# Altium PCB Proyecto_0-Buck_Up.PcbDoc (part 1 of 5) (continued)
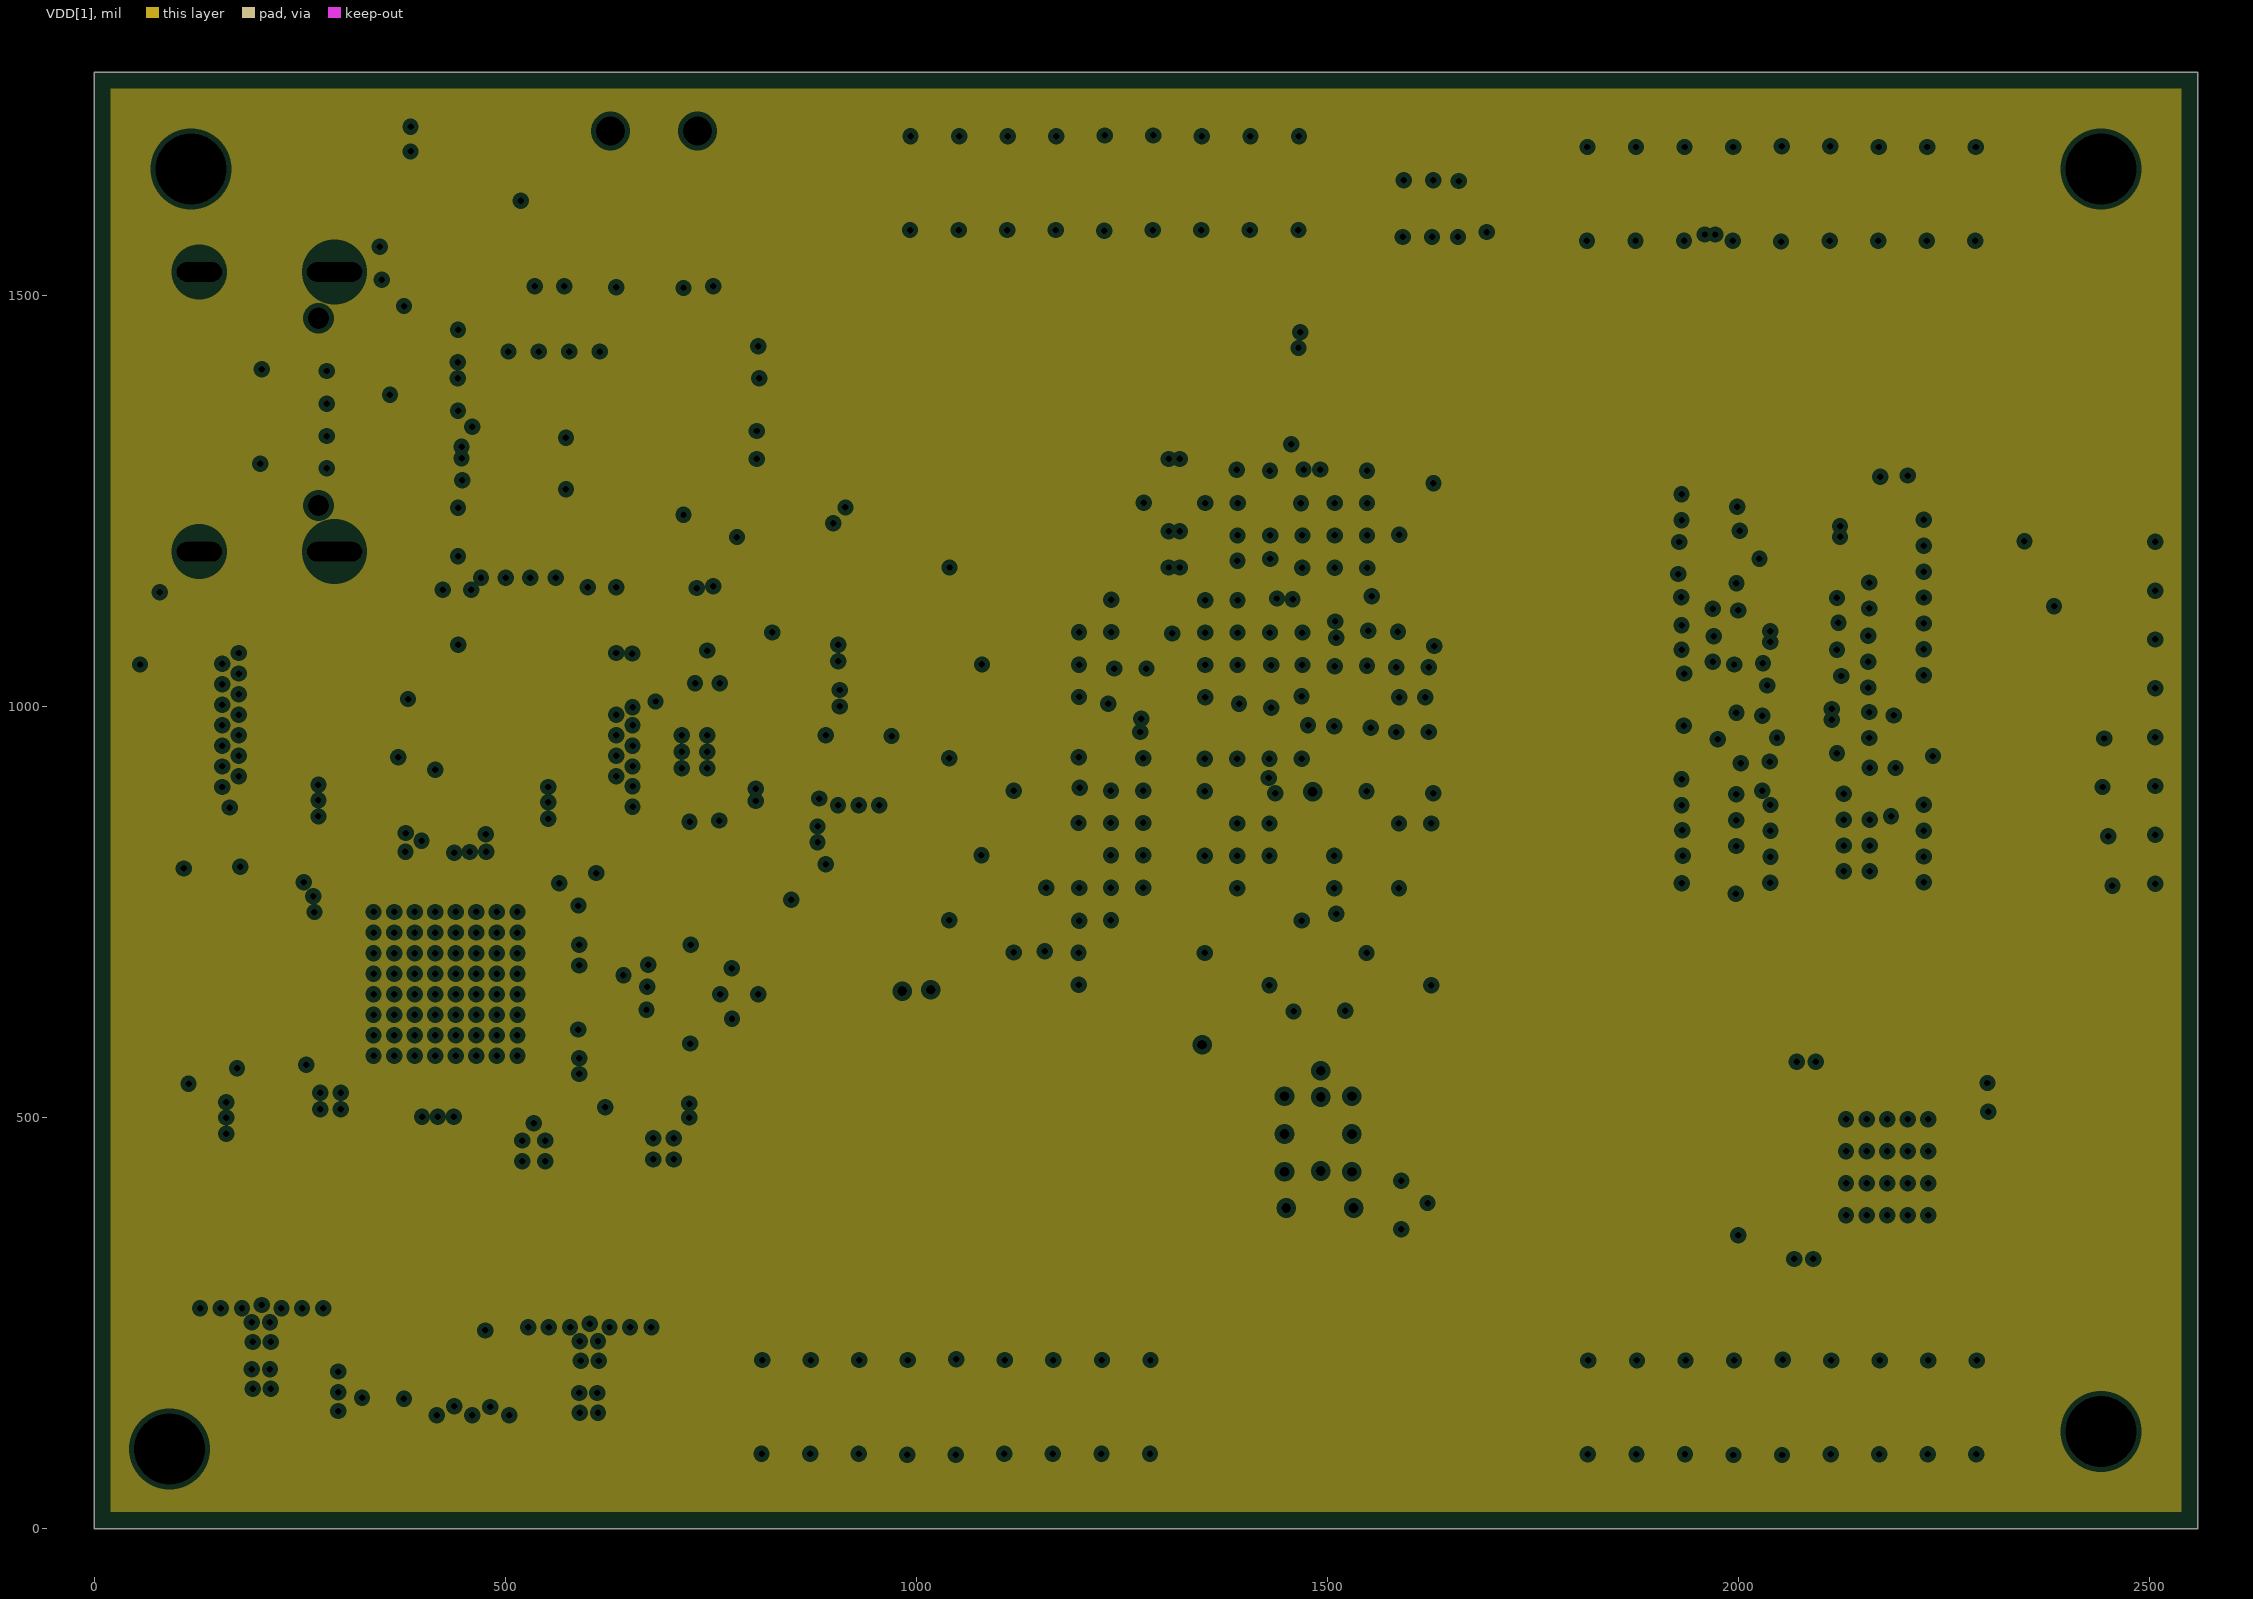
[diagram p3: VDD[1], clearances drawn from the general rule]
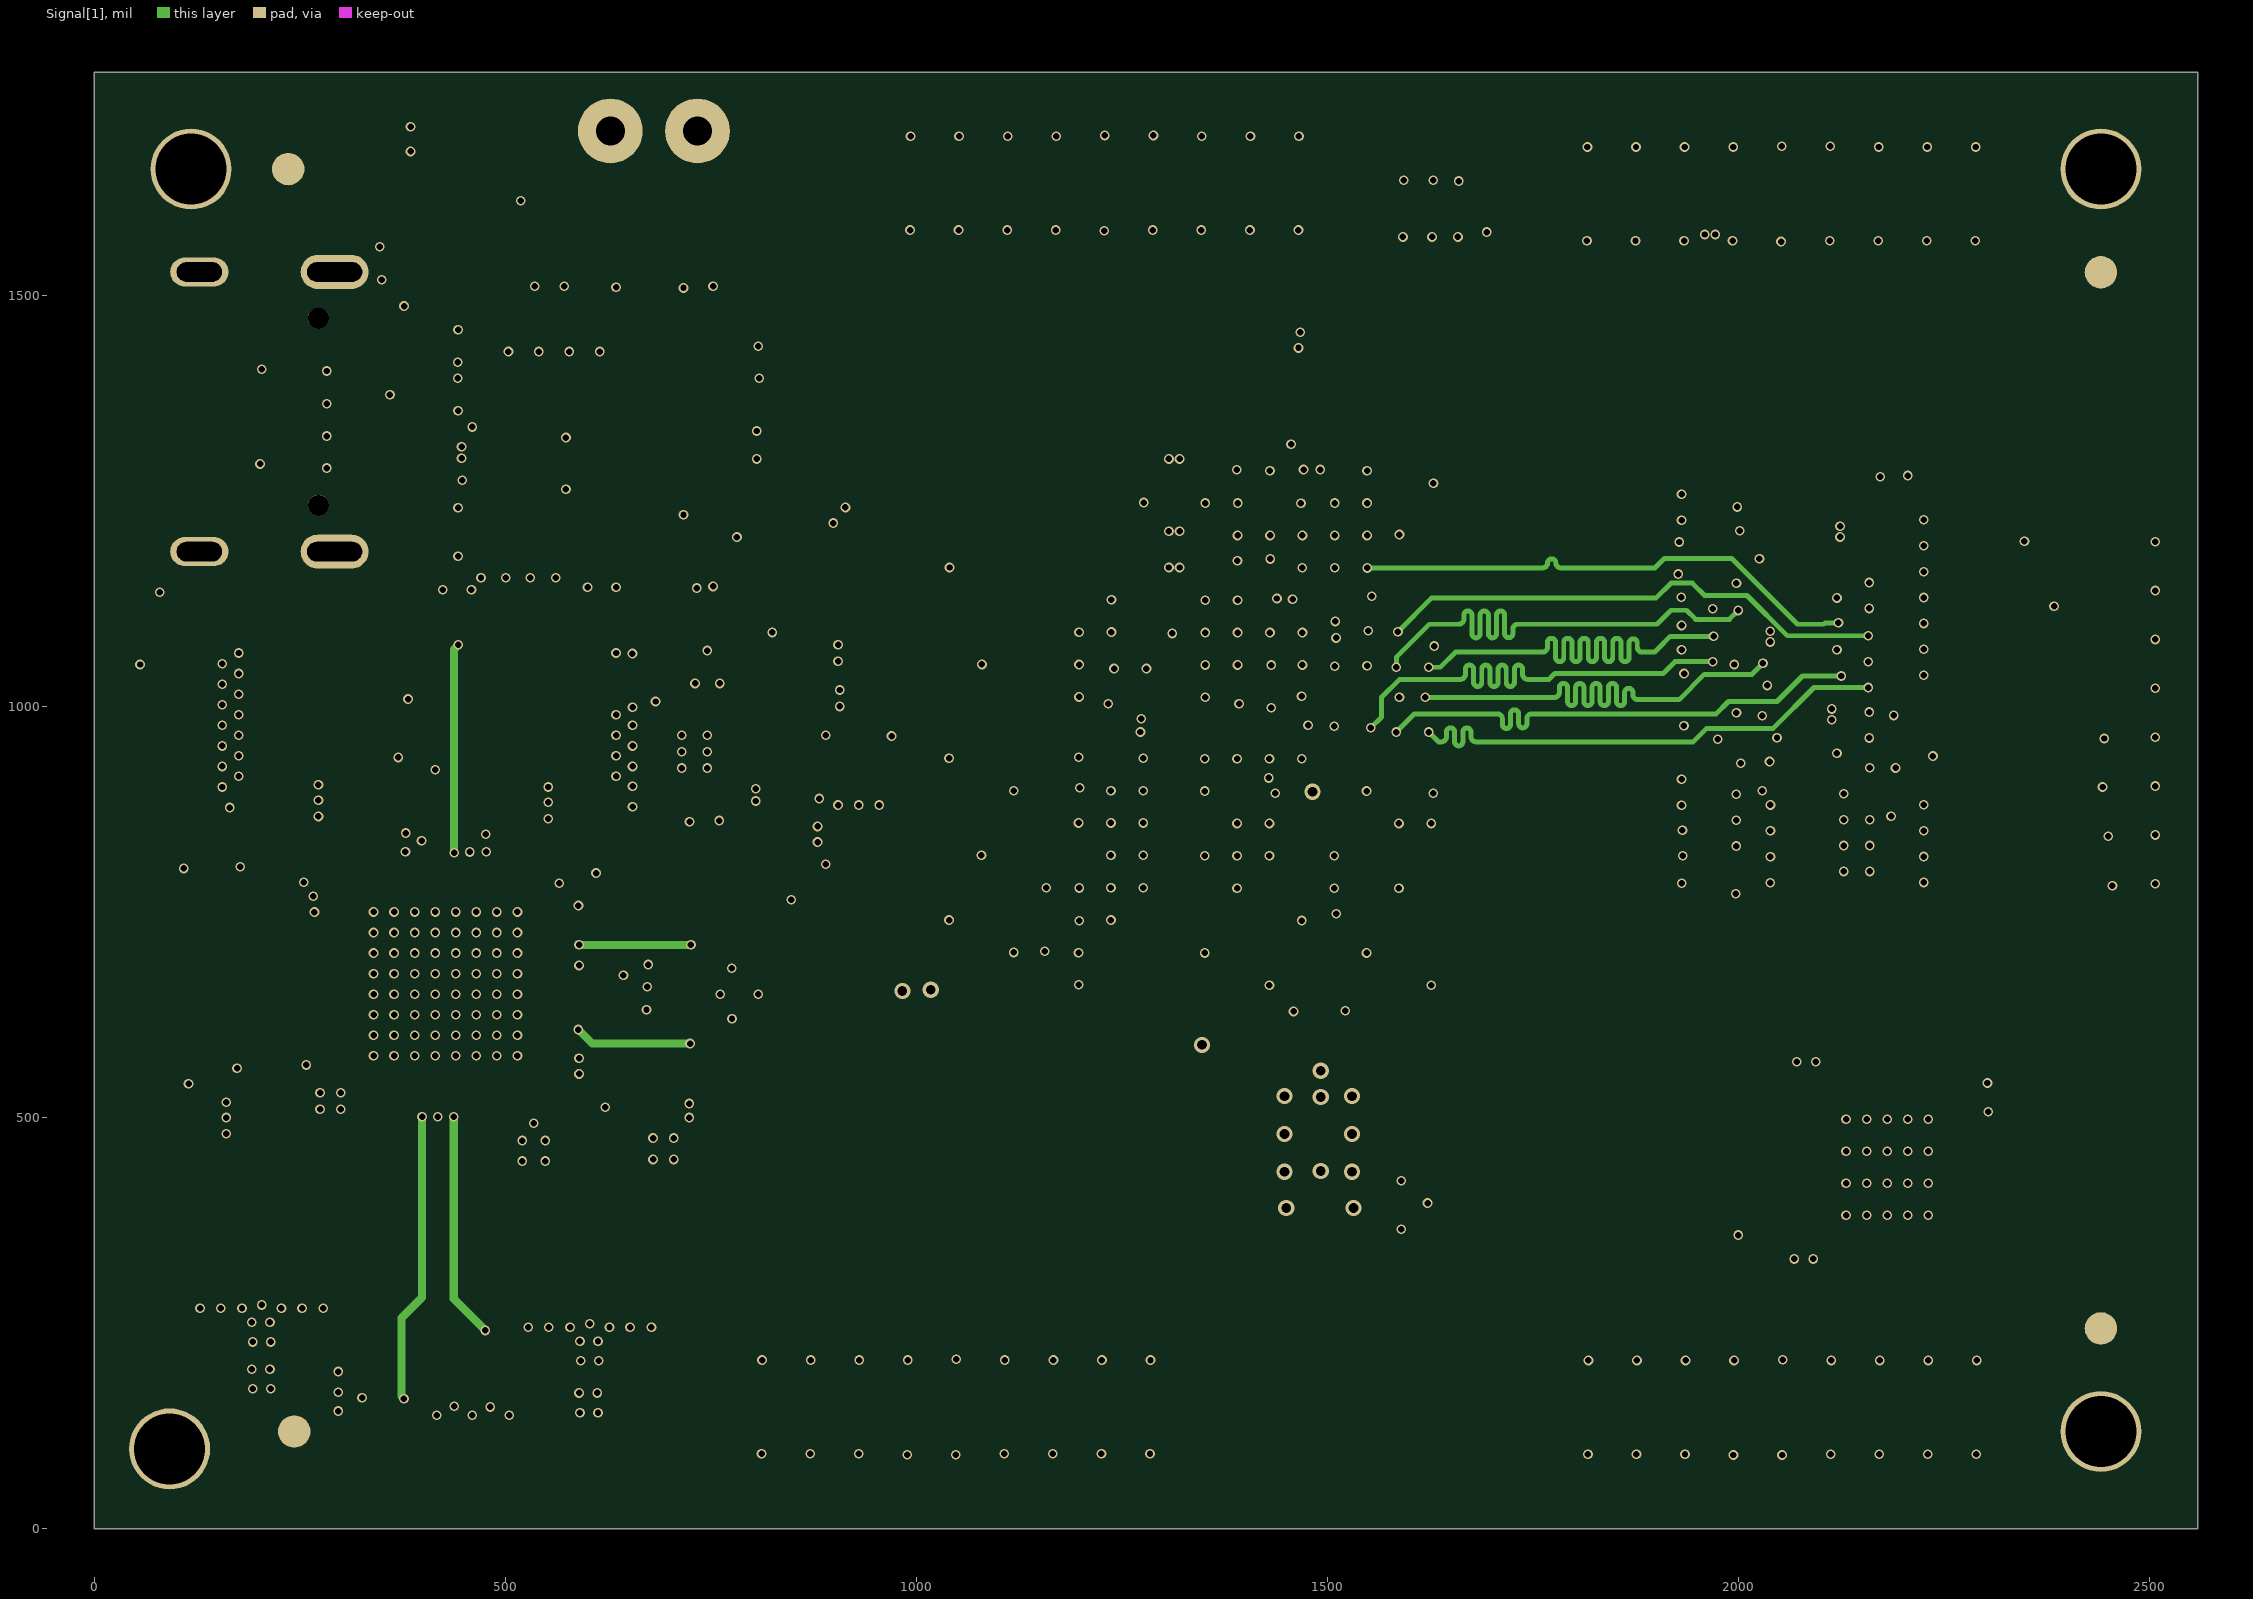
[diagram p4: Signal[1]]
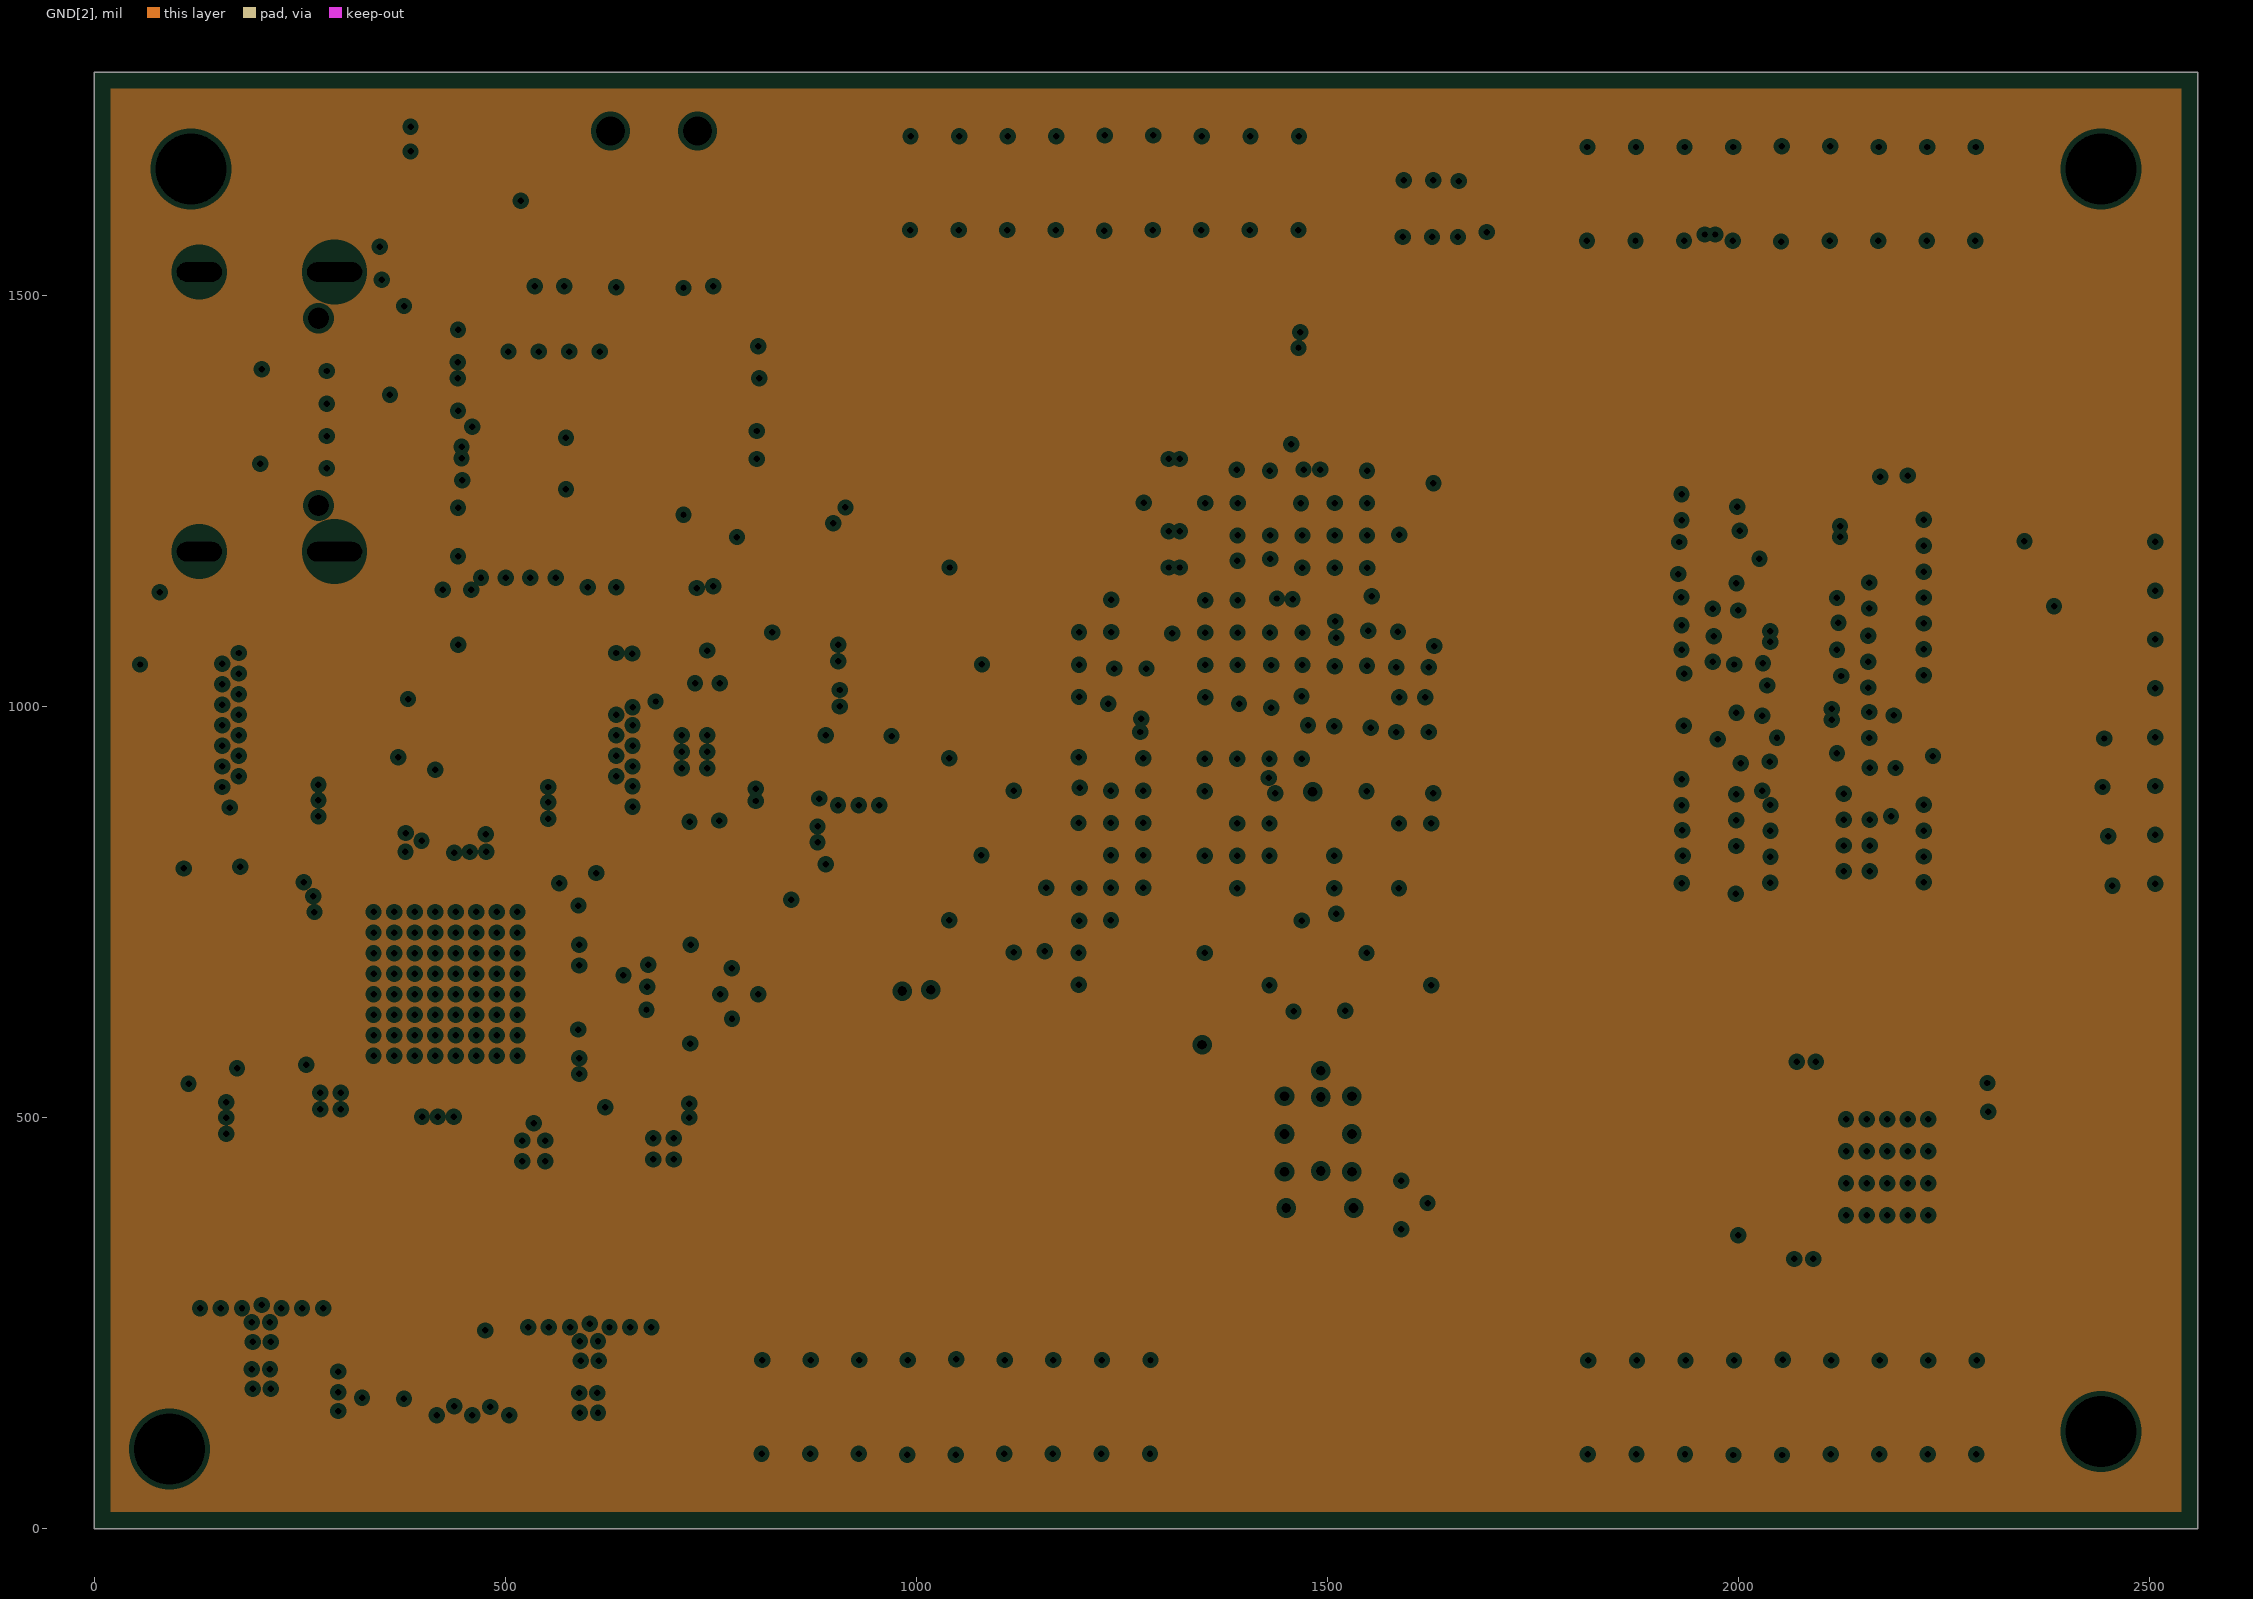
[diagram p5: GND[2], clearances drawn from the general rule]
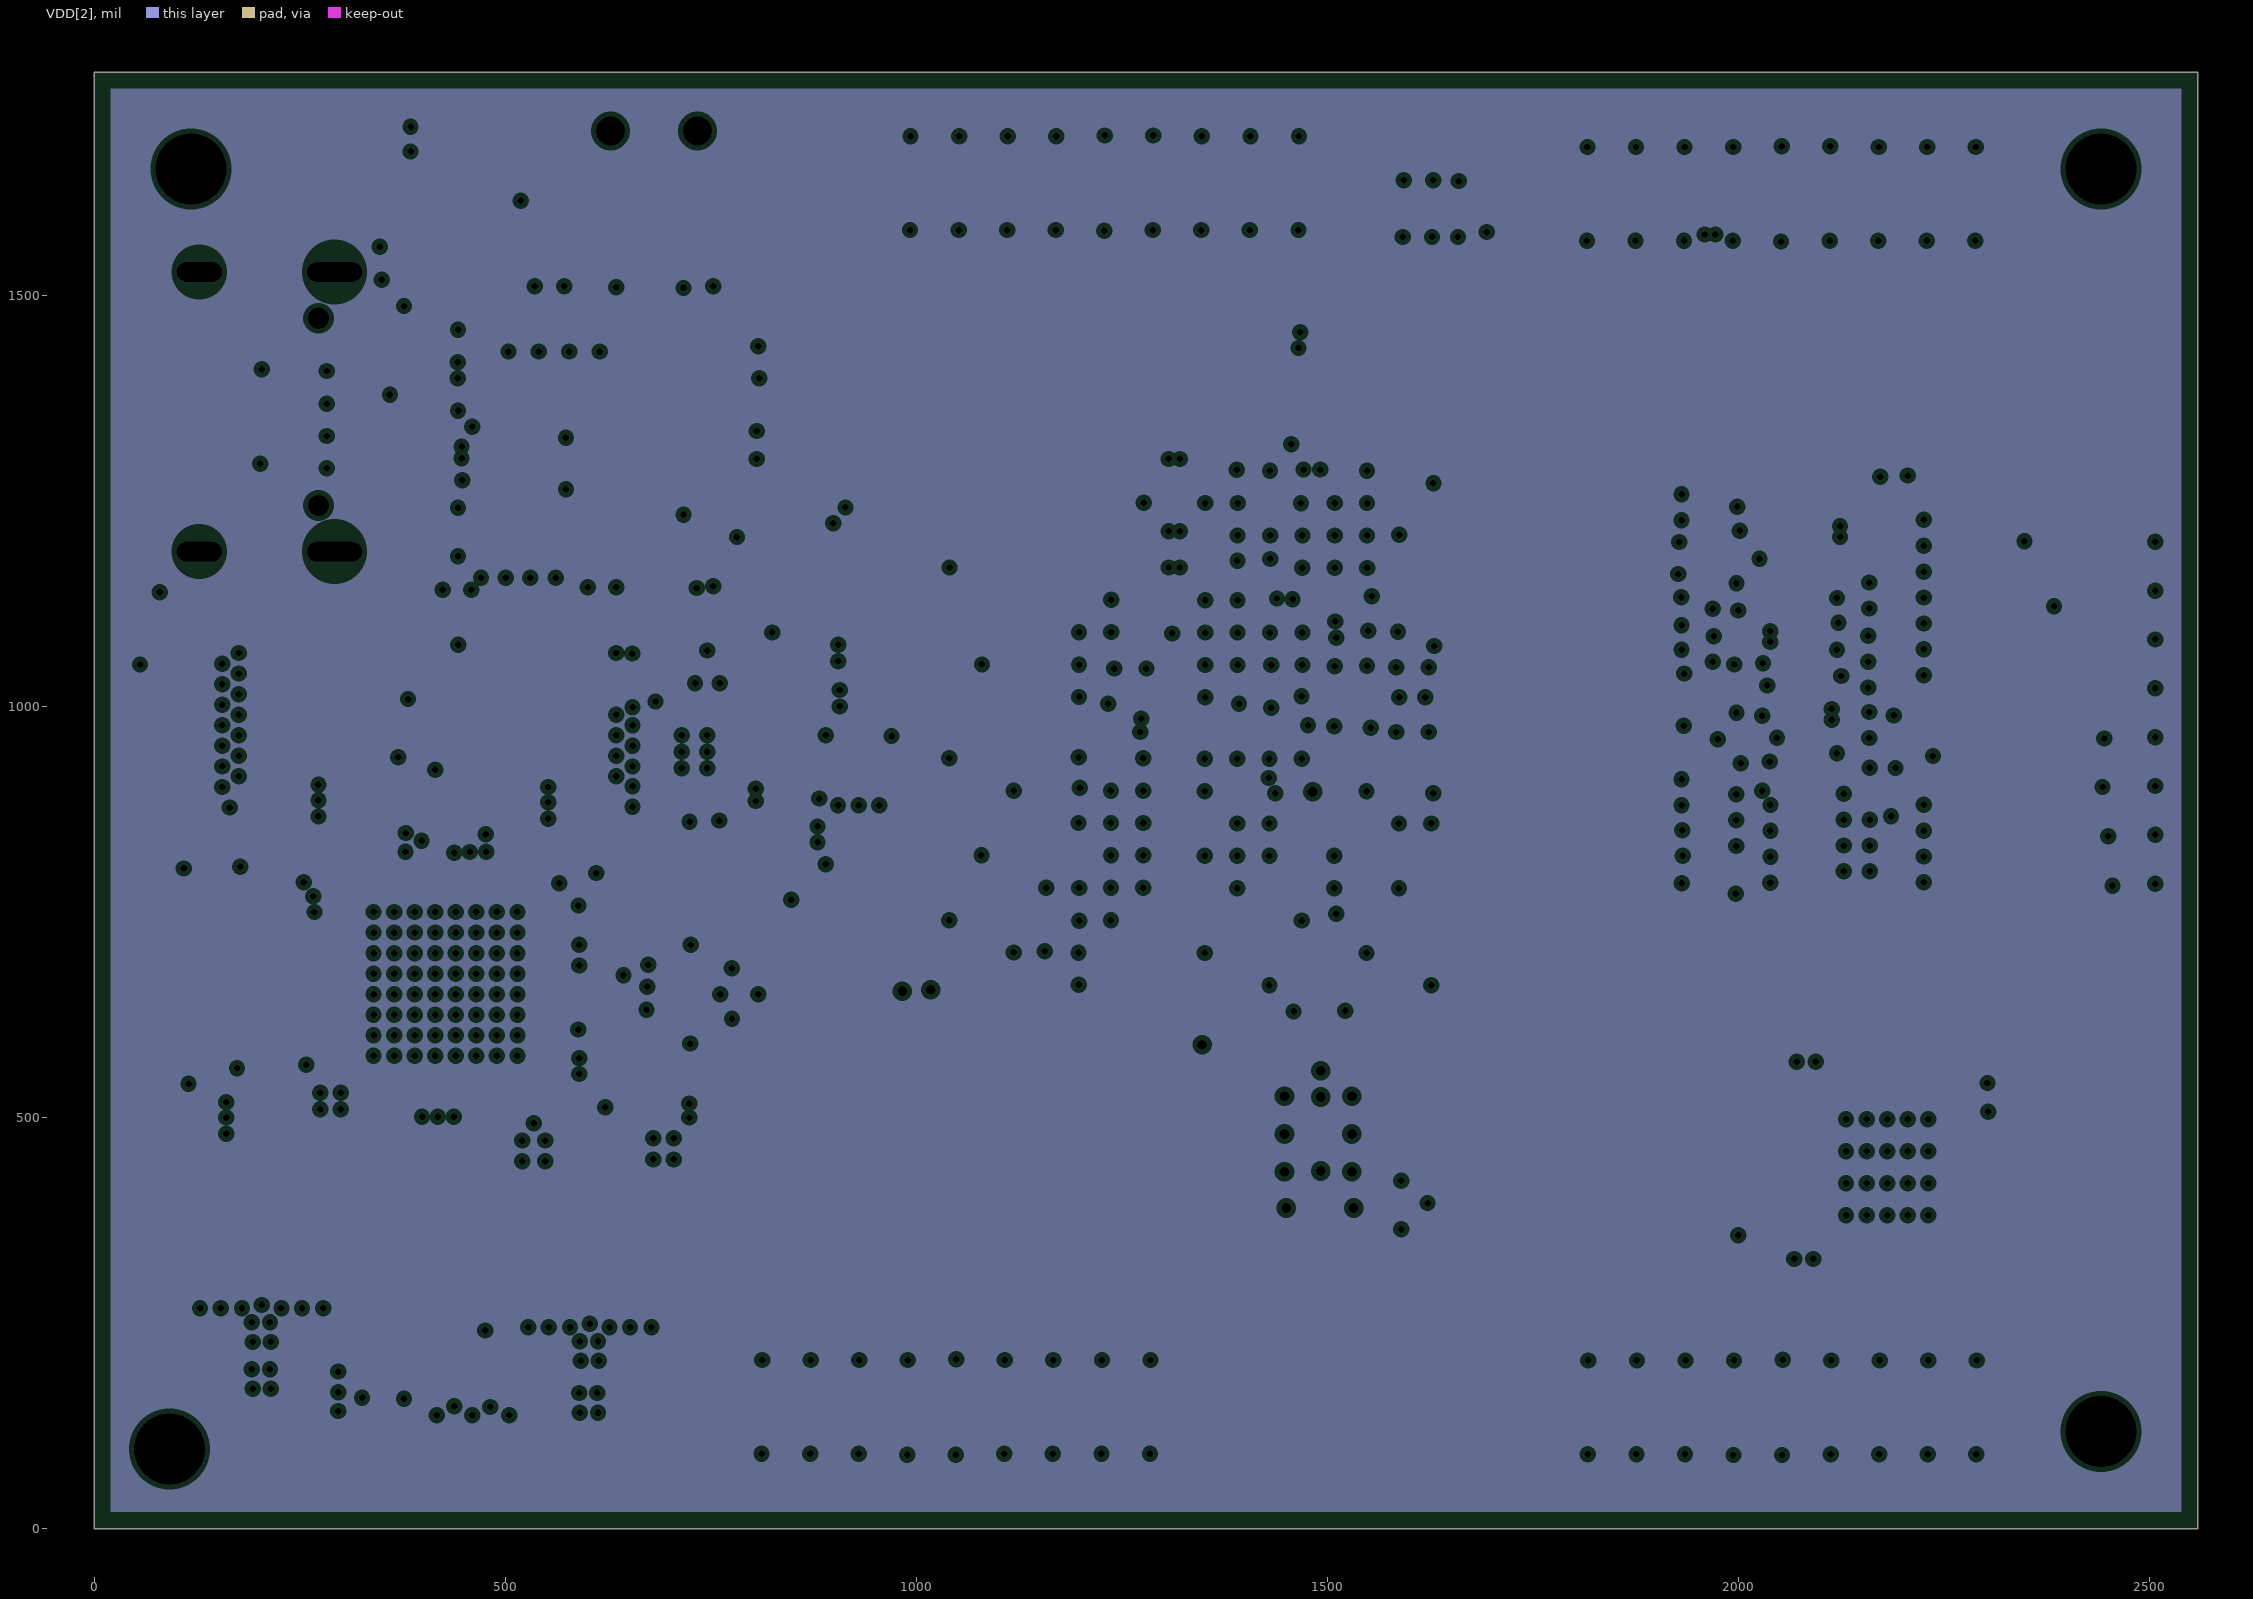
[diagram p6: VDD[2], clearances drawn from the general rule]